# Altium PCB Notecarrier AF.PcbDoc (part 2 of 3)
Units mm, origin at the board's own origin, x right, y up, seen from the top; angles counter-clockwise.
Board outline 76.25 x 103 mm, 4 copper layers (Top Layer, Ground Plane, Power Plane, Bottom Layer), stack 1.43 mm thick; 84 components, 89 nets, 445 pads, 436 vias.
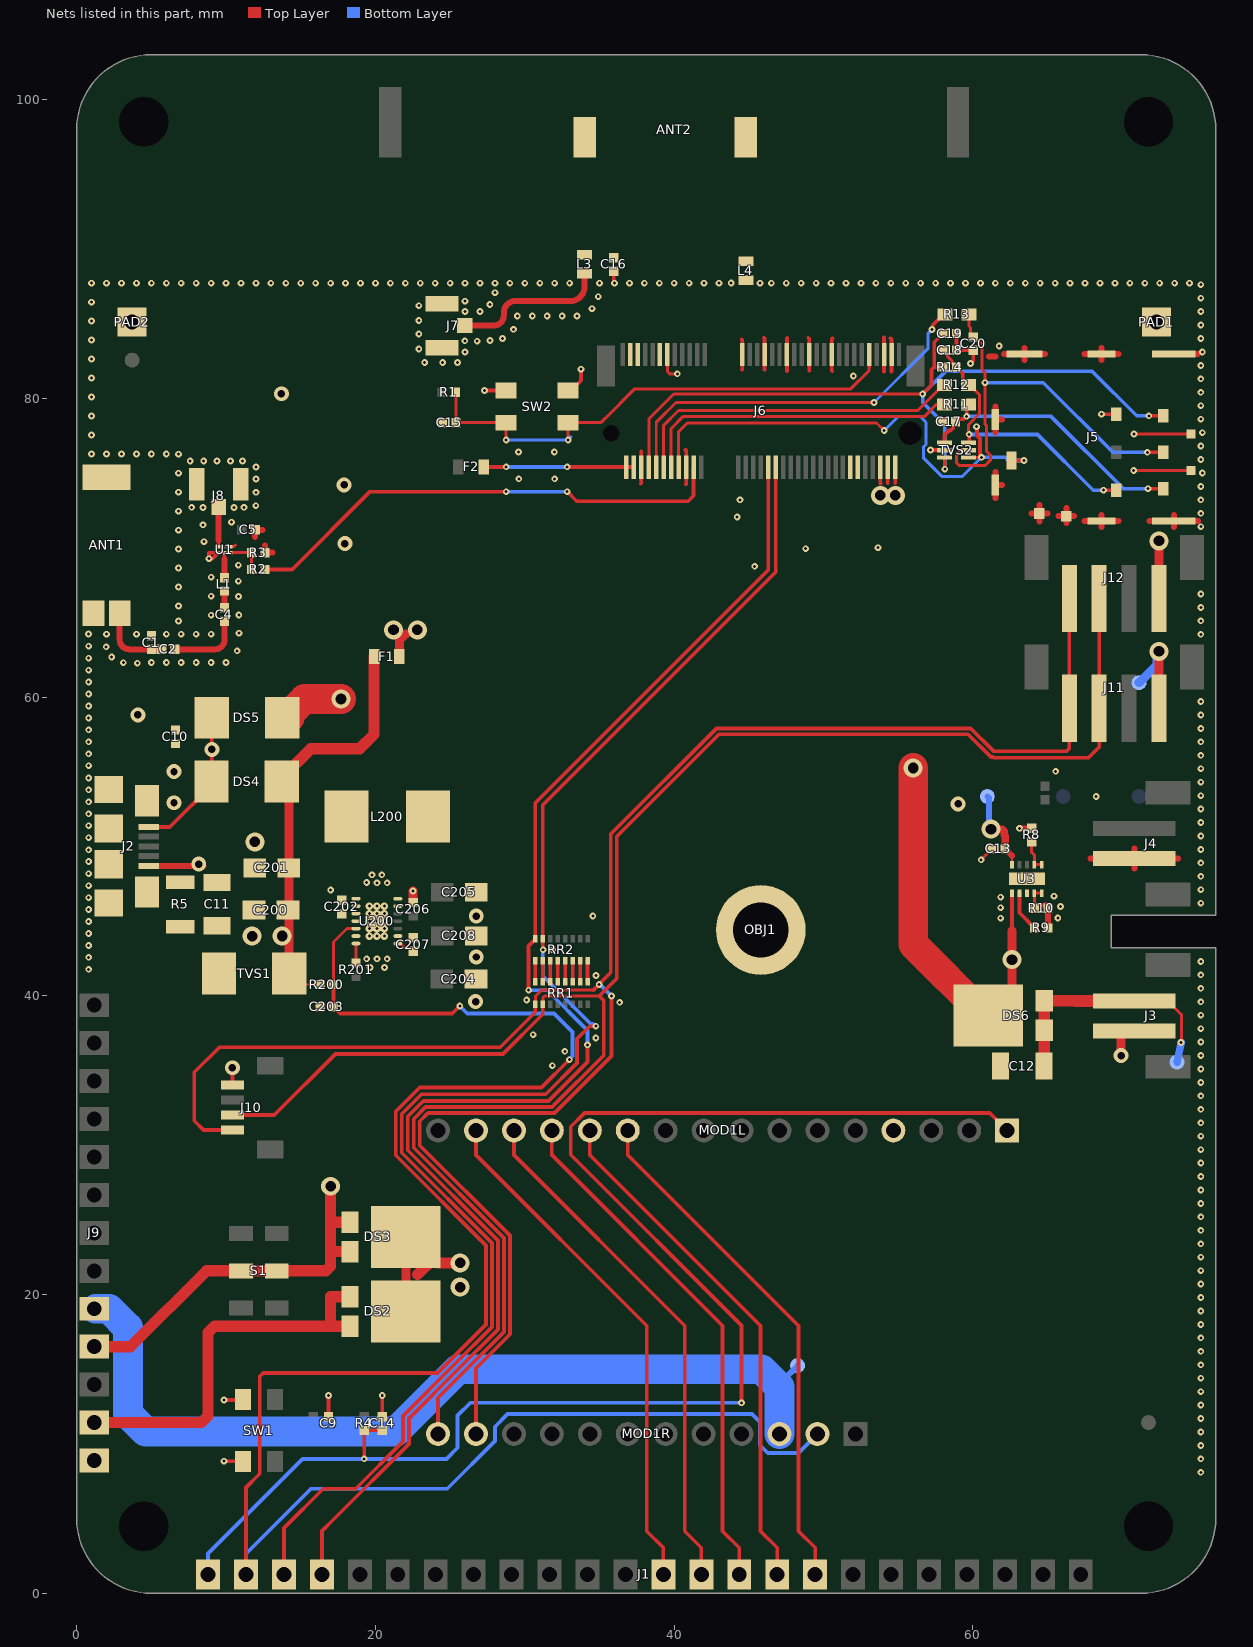
[diagram p4: the nets of this part, all layers, seen from the top]

## Via types
v1: diameter 0.45, hole 0.2, Top Layer to Bottom Layer, 381 vias
v2: diameter 1.27, hole 0.711, Top Layer to Bottom Layer, 20 vias
v3: diameter 1, hole 0.5, Top Layer to Bottom Layer, 20 vias
v4: diameter 0.5, hole 0.2, Top Layer to Bottom Layer, 15 vias

## Nets (pads, with @x,y where several pads share a name; then routed paths per layer and width w, separated by ;. In a path a pad name is that pad's centre, name@x,y a point inside that pad or via, vN(x,y) a via of type N, cw(c..) or ccw(c..) an arc to the next point about the centre after c; other vN are vias at no path point) (continued)
F_EN: C203.1 J1.2 MOD1R.2 R200.2 U200.12 | length 131.8
  Top Layer w0.2: R200.2@17.2,40.75 17.2,43.6 18.1,44.5 U200.12@18.7,44.5
  Top Layer w0.25: J1.2@11.335,1.27 11.335,7.085 12.25,8 12.25,14.513 12.487,14.75 24.15,14.75 27.4,18 27.4,23.286 21.361,29.325 21.361,32.258 22.964,33.861 31.113,33.861 v1(32.975,35.722) ; R200.2@17.165,40.625 17.2,40.59 C203.1@17.2,39.25 17.639,38.811 25.137,38.811 v1(25.645,39.318)
  Bottom Layer w0.25: J1.2@11.335,1.27 11.335,2.645 15.69,7 24.804,7 28,10.196 28,11.156 28.844,12 45.207,12 45.739,11.468 45.739,9.91 46.255,9.393 48.315,9.393 MOD1R.2@49.59,10.668 ; v1(25.645,39.318) 26.152,38.811 31.959,38.811 33.185,37.585 33.185,35.973 32.975,35.763 v1(32.975,35.722)
GND: ANT1.2 ANT1.3 C1.2 C5.2 C9.2 C10.2 C11.2 C12.2 C13.2 C14.2 C15.2 C16.2 C17.2 C18.2 C19.2 C20.2 C200.2 C201.2 C202.2 C203.2 C204.2 C205.2 C206.2 C207.2 C208.2 J2.5 J3.2 J4.2 J5.5 J5.8 J5.9 J5.10 J5.11 J5.12 J5.14 J5.15 J5.16 J5.17 J5.18 J5.19 J6.3 J6.5 J6.6 J6.11 J6.18 J6.33 J6.39 J6.45 J6.51 J6.57 J6.71 J6.73 J7.2 J7.3 J8.2 J8.3 J9.13 J10.1 J11.4 J12.4 L4.2 MOD1L.4 OBJ1.1 PAD1.1 PAD2.1 pad.1@71.12,60.96 R3.1 R5.2 R9.1 R10.1 SW1.3 SW1.4 SW2.1 SW2.2 TVS1.2 TVS2.2 U1.1 U1.4 U3.3 U3.11 U200.2 U200.13 U200.15 | length 99
  Top Layer w0.2: U1.1@10.292,70.061 10.506,70.061 10.616,70.171 ; v1(60.55,49.1) 60.55,49.128 C13.2@61.256,49.834 ; v1@70.754,75.158 v1(70.76,75.164) J5.19@74.6,75.164 ; v1(70.773,77.605) 70.774,77.604 J5.18@74.6,77.604
  Top Layer w0.25: v1(9.856,8.848) SW1.4@11.16,8.848 ; v1(9.856,12.938) SW1.3@11.1,12.938 ; v3(10.43,35.182) 10.43,34.023 J10.1@10.437,34.016 ; SW1.3@11.1,13.446 SW1.3@11.16,13.506 ; C9.2@16.862,11.822 v1(16.862,13.25) ; C14.2@20.456,11.822 v1(20.456,13.243) v1@20.463,13.25 ; v1(27.308,80.513) SW2.1@28.75,80.513 ; SW2.2@32.9,80.513 33.1,80.513 33.763,81.176 v1(33.763,81.949) ; C16.2@35.95,88.51 35.95,87.789 v1@35.962,87.776 ; 37.766,74.283 37.798,74.316 37.798,76.45 ; 40.763,76.534 40.798,76.499 J6.18@40.798,75.381 40.798,74.279 40.786,74.266 ; 44.522,83.933 44.548,83.906 J6.33@44.548,82.931 44.548,81.927 44.533,81.912 ; 46.015,84.045 46.048,84.011 J6.39@46.048,82.931 46.048,81.912 46.037,81.9 ; 47.542,81.822 47.548,81.828 J6.45@47.548,82.931 47.548,84.018 47.575,84.045 ; 48.968,84.056 49.048,83.975 J6.51@49.048,82.931 49.048,81.835 49.046,81.833 ; 50.573,81.811 50.548,81.835 50.548,83.964 50.596,84.011 ; 54.045,81.783 54.048,81.786 J6.71@54.048,82.931 54.048,84.071 54.051,84.073 ; 54.472,84.023 54.548,83.946 J6.73@54.548,82.931 54.548,81.803 54.539,81.794 ; v1(57.154,76.542) 58.078,76.542 TVS2.2@58.087,76.534 ; C19.2@58.892,84.327 C18.2@58.892,83.207 C20.2@60.024,83.207 60.024,82.5 59.849,82.325 v1(59.837,82.325) ; v1(68.602,78.934) 68.612,78.924 J5.5@69.58,78.924 ; J5.17@73.45,82.964 J5.17@74.85,82.964 ; v1(8.858,69.263) 9.094,69.263 U1.4@9.492,69.661 8.858,69.661 v1(8.858,69.263)
  Top Layer w0.4: J2.5@4.825,48.7 v3@8.498,48.7 ; 11.95,70.707 C5.2@11.95,71.195 12.438,71.195 ; 12.611,70.148 R3.1@12.611,69.66 13.099,69.66 ; 61.084,82.784 61.5,82.784 ; 61.5,73.306 J5.12@61.5,74.184 ; 61.5,75.062 J5.12@61.5,74.184 ; 61.5,77.706 J5.14@61.5,78.584 ; 61.5,79.462 J5.14@61.5,78.584 ; 61.928,74.184 J5.12@61.5,74.184 ; 61.928,78.584 J5.14@61.5,78.584 ; 62.072,82.964 J5.15@63.45,82.964 ; 63.45,82.561 J5.15@63.45,82.964 ; 63.45,83.367 J5.15@63.45,82.964 ; 63.922,72.289 J5.11@64.45,72.289 ; 64.45,71.736 J5.11@64.45,72.289 ; 64.45,72.842 J5.11@64.45,72.289 ; R10.1@64.786,46.046 R10.1@64.988,46.046 ; 64.828,82.964 J5.15@63.45,82.964 ; 64.978,72.289 J5.11@64.45,72.289 ; R9.1@65.026,44.544 R10.1@65.027,45.864 ; 65.722,72.114 J5.10@66.25,72.114 ; 66.25,71.647 J5.10@66.25,72.114 ; 66.25,72.642 J5.10@66.25,72.114 ; 66.778,72.114 J5.10@66.25,72.114 ; 67.472,71.789 J5.9@68.6,71.789 ; 67.472,82.964 J5.16@68.6,82.964 ; 67.872,49.189 J4.2@70.8,49.189 ; 68.6,71.386 J5.9@68.6,71.789 ; 68.6,72.192 J5.9@68.6,71.789 ; 68.6,82.561 J5.16@68.6,82.964 ; 68.6,83.367 J5.16@68.6,82.964 ; 69.728,71.789 J5.9@68.6,71.789 ; 69.728,82.964 J5.16@68.6,82.964 ; 70.8,48.511 J4.2@70.8,49.189 ; 70.8,49.867 J4.2@70.8,49.189 ; 71.822,71.789 J5.8@73.45,71.789 ; 73.45,71.386 J5.8@73.45,71.789 ; 73.45,72.192 J5.8@73.45,71.789 ; 73.728,49.189 J4.2@70.8,49.189 ; J5.17@74.85,82.964 75.078,82.964 ; 75.078,71.789 J5.8@73.45,71.789
  Top Layer w0.6: v1(22.517,47.01) 22.517,46.252 C206.2@22.527,46.242 ; v3(69.91,36) 69.91,37.453 70.11,37.653 J3.2@70.8,37.653 ; J11.4@72.45,59.254 v2(72.45,63.052) ; J12.4@72.45,66.597 v2(72.45,70.45)
  Bottom Layer w0.6: pad.1@71.12,60.96 72.322,62.162 72.322,62.924 v2(72.45,63.052)
  other v1: 75.25,8.1 75.25,9 75.25,9.9 75.25,10.8 75.25,11.7 75.25,12.6 75.25,13.5 75.25,14.4 75.25,15.3 75.25,16.2 75.25,17.1 75.25,18 75.25,18.9 75.25,19.8 75.25,20.7 75.25,21.6 75.25,22.5 75.25,23.4 75.25,24.3 75.25,25.2 75.25,26.1 75.25,27 75.25,27.9 75.25,28.8 75.25,29.7 75.25,30.6 75.25,31.5 75.25,32.4 75.25,33.3 75.25,34.2 75.25,35.1 31.838,35.322 75.25,36 32.679,36.283 75.25,36.9 34.753,37.179 30.562,37.394 75.25,37.8 75.25,38.7 36.347,39.56 75.25,39.6 30.121,39.72 75.25,40.5 34.765,41.365 75.25,41.4 0.807,41.771 19.633,41.899 20.605,41.899 75.25,42.3 19.41,42.473 20.1,42.473 20.79,42.473 0.807,42.571 31.854,43.075 0.807,43.371 0.807,44.171 0.807,44.971 61.85,45.2 65.678,45.211 34.553,45.337 0.807,45.771 61.85,45.9 65.855,45.976 75.25,46.2 0.807,46.571 61.85,46.6 65.424,46.67 17,47.075 75.25,47.1 0.807,47.371 20.1,47.567 20.79,47.567 19.41,47.586 75.25,48 19.77,48.095 20.43,48.1 0.807,48.171 75.25,48.9 0.804,48.986 0.807,49.771 75.25,49.8 0.804,50.586 75.25,50.7 0.804,51.386 75.25,51.6 0.804,52.186 75.25,52.5 0.804,52.986 68.25,53.34 75.25,53.4 0.804,53.786 75.25,54.3 0.804,54.586 65.54,55.025 75.25,55.2 0.8,55.4 75.25,56.1 0.8,56.2 0.8,57 75.25,57 0.8,57.8 75.25,57.9 0.8,58.6 75.25,58.8 0.8,59.4 75.25,59.7 0.8,60.2 0.8,61 0.8,61.8 4.058,62.262 3.126,62.301 5,62.305 6,62.305 7,62.305 8,62.305 9,62.305 10,62.305 0.8,62.6 2.34,62.672 10.744,63.093 1.975,63.362 0.8,63.4 75.25,64.2 0.796,64.214 2,64.21 4,64.21 6,64.21 7,64.21 8,64.21 9,64.21 10.867,64.277 6.823,65.086 75.25,65.1 9,65.48 10.85,65.496 75.25,66 6.82,66.092 10.834,66.736 9,66.75 75.25,66.9 6.82,67.362 10.823,67.758 9,68.02 6.82,68.632 45.385,68.75 10.823,68.83 6.82,69.902 48.798,69.931 53.638,70 8.521,70.397 6.82,71.172 75.25,71.4 8.454,71.531 10.365,71.705 44.211,72.057 75.25,72.3 6.82,72.442 8.454,72.687 10.531,72.687 7.7,72.7 11.2,72.7 11.996,72.811 75.25,73.2 44.409,73.205 12,73.7 6.82,73.712 75.25,74.1 12,74.6 29.6,74.606 32,74.606 6.82,74.982 75.35,75 12,75.4 7.6,75.8 8.5,75.8 9.4,75.8 10.3,75.8 11.1,75.8 75.25,75.9 6.82,76.252 1,76.275 2,76.275 3,76.275 4,76.275 5,76.275 6,76.275 29.574,76.406 31.974,76.406 75.25,76.8 1,77.545 75.35,77.7 75.25,78.6 1,78.815 75.25,79.5 1,80.085 75.25,80.4 75.25,81.3 1,81.355 51.993,81.497 75.25,82.2 23.3,82.4 24.5,82.4 25.5,82.4 1,82.625 26,83.1 75.35,83.1 22.9,83.3 61.75,83.505 26.809,83.824 25.984,83.847 27.674,83.869 1,83.895 28.5,84 75.25,84 22.9,84.3 29.24,84.616 75.25,84.9 1,85.165 22.9,85.2 29.5,85.5 30.5,85.5 31.5,85.5 32.5,85.5 33.5,85.5 26,85.8 27,85.8 75.25,85.8 34.5,86 22.9,86.2 27.657,86.283 1,86.435 26,86.5 75.25,86.7 34.915,86.8 28,87.07 75.25,87.6 1,87.705 2,87.705 3,87.705 4,87.705 5,87.705 6,87.705 7,87.705 8,87.705 9,87.705 10,87.705 11,87.705 12,87.705 13,87.705 14,87.705 15,87.705 16,87.705 17,87.705 18,87.705 19,87.705 20,87.705 21,87.705 22,87.705 23,87.705 24,87.705 25,87.705 26,87.705 27,87.705 28,87.705 29,87.705 30,87.705 31,87.705 32,87.705 33,87.705 35,87.705 36,87.705 37,87.705 38,87.705 39,87.705 40,87.705 41,87.705 42,87.705 43,87.705 43.811,87.714 45.75,87.705 46.5,87.705 47.5,87.705 48.5,87.705 49.5,87.705 50.5,87.705 51.5,87.705 52.5,87.705 53.5,87.705 54.5,87.705 55.5,87.705 56.5,87.705 57.5,87.705 58.5,87.705 59.5,87.705 60.5,87.705 61.5,87.705 62.5,87.705 63.5,87.705 64.5,87.705 65.5,87.705 66.5,87.705 67.5,87.705 68.5,87.705 69.5,87.705 70.5,87.705 71.5,87.705 72.5,87.705 73.5,87.705 74.5,87.705
  other v2: 11.93,50.306
  other v3: 26.702,39.611 26.75,42.597 26.75,45.337 8.172,48.814 59,52.84 4.1,58.8 17.954,70.267 17.907,74.199 13.7,80.3
  other v4: 19.6,44 20.1,44 20.6,44 19.6,44.5 20.1,44.5 20.6,44.5 19.6,45 20.1,45 20.6,45 19.6,45.5 20.1,45.5 20.6,45.5 19.6,46 20.1,46 20.6,46
MISO: J1.15 MOD1L.13 | length 34.9
  Top Layer w0.25: MOD1L.13@31.81,30.988 31.81,29.336 43.24,17.906 43.24,4.163 44.355,3.048 J1.15@44.355,1.27
MOSI: J1.16 MOD1L.12 | length 34.9
  Top Layer w0.25: MOD1L.12@34.35,30.988 34.35,29.336 45.78,17.906 45.78,4.163 46.895,3.048 J1.16@46.895,1.27
NetANT1_1: ANT1.1 C1.1 C2.2 | length 4.9
  Top Layer w0.4: ANT1.1@2.875,65.6 2.875,63.856 ccw(c3.535,63.856) 3.535,63.196 C1.1@5.003,63.196 C2.2@5.69,63.196
NetANT2_2: ANT2.2 C16.1 L3.2
NetANT2_3: ANT2.3 L4.1
NetC2_1: C2.1 C4.2 | length 4.9
  Top Layer w0.4: C2.1@6.57,63.196 9.26,63.196 ccw(c9.26,63.838) 9.902,63.838 9.902,65.065 ccw(c9.895,65.065) C4.2@9.895,65.073
NetC4_1: C4.1 L1.2 | length 1.1
  Top Layer w0.4: C4.1@9.895,65.973 L1.2@9.895,67.093
NetC17_1: C17.1 J5.3 R11.2 TVS2.1 | length 18.7
  Top Layer w0.25: TVS2.1@58.087,77.034 58.087,77.539 58.387,77.839 58.513,77.839 58.678,78.004 58.678,78.274 C17.1@58.838,78.434 59.023,78.619 59.359,78.619 59.528,78.788 v1(59.581,78.788) ; v1@59.603,78.788 59.581,78.809 59.581,79.48 R11.2@59.692,79.59 ; v1(71.711,73.944) J5.3@72.75,73.944
  Bottom Layer w0.25: v1(59.581,78.788) 65.226,78.788 70.07,73.944 v1(71.711,73.944)
NetC18_1: C18.1 J5.7 R12.2 R14.1 TVS2.6 | length 19.1
  Top Layer w0.2: R12.2@59.692,80.89 59.792,80.89 60.442,80.24 60.442,78.977 59.694,78.229 59.694,77.632 v1(59.742,77.584)
  Top Layer w0.25: C18.1@57.992,83.207 58.307,82.892 58.307,82.781 58.577,82.511 58.577,82.402 59.317,81.662 59.317,81.165 59.592,80.89 R12.2@59.692,80.89 ; v1@59.641,77.584 v1@59.697,77.528 ; TVS2.6@59.697,77.034 59.717,77.034 59.742,77.059 v1(59.742,77.584) ; v1(68.73,73.844) J5.7@69.58,73.844
  Bottom Layer w0.25: v1(59.742,77.584) 59.754,77.572 64.322,77.572 68.05,73.844 v1(68.73,73.844)
NetC20_1: C20.1 J5.2 R13.2 TVS2.5 | length 29.2
  Top Layer w0.2: TVS2.5@59.418,76.534 59.127,76.534 58.892,76.298 58.892,75.684 59.092,75.484 60.799,75.484 61.158,75.843 61.158,76.207 60.892,76.474 60.892,78.181 60.792,78.281 60.792,79.915 ; R13.2@59.728,85.614 59.728,84.839 59.839,84.728 59.839,84.292 60.339,83.792 60.448,83.792 60.609,83.631 60.609,81.927 60.792,81.744 60.792,79.915 ; v1(60.799,81.04) 60.799,79.922 60.792,79.915
  Top Layer w0.25: v1(71.672,76.384) J5.2@72.75,76.384
  Bottom Layer w0.25: v1(60.799,81.04) 64.71,81.04 69.366,76.384 v1(71.672,76.384)
NetC207_1: C207.1 U200.1 | length 1.2
  Top Layer w0.2: U200.1@21.5,43.5 21.68,43.5 21.99,43.19 22.317,43.19 C207.1@22.527,42.98
NetF1_2: F1.2 J6.70 J6.72 J6.74 | length 4.9
  Top Layer w0.25: J6.70@53.798,75.381 53.798,74.303 53.803,74.299 ; 54.298,74.329 J6.72@54.298,75.381 ; 54.798,74.329 J6.74@54.798,75.381
  Top Layer w0.6: F1.2@21.609,62.702 21.609,63.795 22.04,64.226
  other v2: 21.209,64.5 22.81,64.5 53.798,73.5 54.798,73.5
NetJ7_1: J7.1 L3.1 | length 10.4
  Top Layer w0.4: J7.1@25.983,84.858 27.91,84.858 ccw(c27.91,85.538) 28.59,85.538 28.59,85.729 cw(c29.365,85.729) 29.365,86.504 33.037,86.504 ccw(c33.037,87.458) 33.991,87.458 33.991,88.311 cw(c34,88.311) L3.1@34,88.32
NetJ8_1: J8.1 U1.3 | length 2.7
  Top Layer w0.23: 9.483,70.491 9.51,70.464 9.492,70.447 U1.3@9.492,70.061
  Top Layer w0.4: 9.483,70.491 9.501,70.509 9.501,72.714 J8.1@9.51,72.722
NetL1_1: L1.1 U1.5 | length 1.7
  Top Layer w0.23: 9.892,69.24 U1.5@9.892,69.661
  Top Layer w0.4: 9.892,69.24 9.892,68.873 9.895,68.871 L1.1@9.895,67.993
NetL200_1: L200.1 U200.8 U200.9
NetL200_2: L200.2 U200.6 U200.7
NetR2_1: R2.1 R3.2 U1.6 | length 2.5
  Top Layer w0.2: U1.6@10.292,69.661 R3.2@11.711,69.66 R2.1@11.711,68.54
NetR8_1: R8.1 U3.6 U3.7 | length 2.1
  Top Layer w0.2: R8.1@63.929,50.315 63.929,49.605 64.11,49.424 U3.7@64.11,48.774 U3.6@64.61,48.774
NetR9_2: R9.2 U3.2 | length 2.8
  Top Layer w0.25: U3.2@63.11,46.874 63.11,45.56 R9.2@64.126,44.544
NetR10_2: R10.2 U3.4 U3.5 | length 1.5
  Top Layer w0.2: R10.2@64.127,45.864 64.11,45.88 U3.4@64.11,46.874 U3.5@64.61,46.874
NetR201_2: R201.2 U200.14 | length 1.3
  Top Layer w0.2: R201.2@18.7,42.2 U200.14@18.7,43.5
NetRR1_9: RR1.9 RR2.8 | length 1.4
  Top Layer w0.25: RR1.9@34.203,40.931 RR2.8@34.203,42.333
NetRR1_10: RR1.10 RR2.7 | length 1.4
  Top Layer w0.25: RR1.10@33.703,40.931 RR2.7@33.703,42.333
NetRR1_11: RR1.11 RR2.6 | length 1.4
  Top Layer w0.25: RR1.11@33.203,40.931 RR2.6@33.203,42.333
NetRR1_12: RR1.12 RR2.5 | length 1.4
  Top Layer w0.25: RR1.12@32.703,40.931 RR2.5@32.703,42.333
NetRR1_13: RR1.13 RR2.4 | length 1.4
  Top Layer w0.25: RR1.13@32.203,40.931 RR2.4@32.203,42.333
NetRR1_14: RR1.14 RR2.3 | length 1.4
  Top Layer w0.25: RR1.14@31.703,40.931 RR2.3@31.703,42.333
NetRR1_15: RR1.15 RR2.2 | length 1.4
  Top Layer w0.25: RR1.15@31.203,40.931 RR2.2@31.203,42.333
NetRR1_16: RR1.16 RR2.1 | length 1.4
  Top Layer w0.25: RR1.16@30.703,40.931 RR2.1@30.703,42.333
NRST: C15.1 J6.67 R1.1 SW2.3 SW2.4 | length 35
  Top Layer w0.2: R1.1@25.454,80.459 25.379,80.384 25.379,78.384 C15.1@25.4,78.363 SW2.3@28.75,78.363 v1(28.75,77.211) ; v1(32.9,77.211) SW2.4@32.9,78.363 33.476,78.363 35.075,78.363 35.379,78.668 35.393,78.668 37.357,80.632 51.825,80.632 53.048,81.856 53.048,82.087
  Top Layer w0.25: 53.048,82.087 J6.67@53.048,82.931
  Bottom Layer w0.2: v1(28.75,77.211) v1(32.9,77.211) 32.9,77.4 33.089,77.4
RST: C14.1 J1.1 MOD1L.1 R4.1 | length 99
  Top Layer w0.25: v1(19.25,9) R4.1@19.25,10.922 C14.1@20.456,10.922 ; v1(44.51,12.75) 44.51,17.926 33.08,29.356 33.08,31.238 34.002,32.161 61.117,32.161 MOD1L.1@62.29,30.988
  Bottom Layer w0.25: J1.1@8.795,1.27 8.795,2.67 15.125,9 v1(19.25,9) 24.75,9 25.5,9.75 25.5,11.904 26.346,12.75 v1(44.51,12.75)
RX: J1.14 MOD1L.14 | length 34.9
  Top Layer w0.25: MOD1L.14@29.27,30.988 29.27,29.336 40.7,17.906 40.7,4.163 41.815,3.048 J1.14@41.815,1.27
RX_P: J6.62
SCK: J1.17 MOD1L.11 | length 34.9
  Top Layer w0.25: MOD1L.11@36.89,30.988 36.89,29.336 48.32,17.906 48.32,4.163 49.435,3.048 J1.17@49.435,1.27
SCL: J10.4 J11.1 J12.1 MOD1R.11 RR1.1 | length 135.3
  Top Layer w0.2: RR1.1@30.703,39.431 30.703,39.957 31.126,40.381 34.603,40.381
  Top Layer w0.25: J10.4@10.437,31.016 8.492,31.016 7.876,31.632 7.876,34.884 9.553,36.561 28.361,36.561 30.703,38.903 RR1.1@30.703,39.431 ; MOD1R.11@26.73,10.668 26.73,15.067 29,17.337 29,17.6 29,23.949 22.961,29.988 22.961,31.595 23.526,32.161 31.994,32.161 35.8,35.966 v1(35.8,39.981) ; 34.603,40.381 v1(34.976,40.754) 34.976,40.795 35.75,41.569 35.75,50.828 42.822,57.9 59.85,57.9 61.372,56.378 66.274,56.378 66.45,56.554 J11.1@66.45,59.254 J12.1@66.45,66.597
  Bottom Layer w0.25: MOD1R.11@26.73,10.351 26.804,10.351 MOD1R.11@26.804,10.394 ; v1(34.976,40.754) 35.026,40.754 v1(35.8,39.981)
SCL_P: J1.4 J6.40 RR2.16 | length 100.4
  Top Layer w0.25: J1.4@16.415,1.27 16.415,4.165 17.207,4.958 22.24,9.99 22.24,11.709 25.481,14.95 28.2,17.669 28.2,18.45 28.2,23.617 22.161,29.657 22.161,29.905 22.161,29.958 22.161,30.754 22.161,31.926 23.195,32.961 31.592,32.961 34.203,35.571 v1(34.203,36.714) ; v1(30.255,40.378) 30.253,40.38 30.253,43.333 30.653,43.733 30.703,43.733 RR2.16@30.703,43.833 30.703,52.91 46.298,68.506 J6.40@46.298,75.381
  Bottom Layer w0.25: v1(30.255,40.378) 31.507,40.378 34.203,37.682 v1(34.203,36.714)
SDA: J10.3 J11.2 J12.2 MOD1R.12 RR1.2 | length 129.7
  Top Layer w0.2: RR1.2@31.203,39.431 31.203,39.864 31.32,39.981 34.98,39.981
  Top Layer w0.25: J10.3@10.437,32.016 13.231,32.016 17.326,36.111 28.547,36.111 31.203,38.766 RR1.2@31.203,39.431 ; MOD1R.12@24.19,10.668 24.19,13.093 25.647,14.55 28.6,17.503 28.6,23.783 22.561,29.822 22.561,30.124 22.561,31.761 23.361,32.561 31.829,32.561 35.278,36.01 35.278,39.684 34.98,39.981 36.15,41.15 36.15,50.663 42.987,57.5 59.684,57.5 61.206,55.978 61.349,55.978 61.399,55.928 67.729,55.928 68.45,56.65 J11.2@68.45,59.254 68.45,61.675 J12.2@68.45,66.597
SDA_P: J1.3 J6.42 RR2.15 | length 102.2
  Top Layer w0.25: J1.3@13.875,1.27 13.875,4.375 16.5,7 18.684,7 21.84,10.156 21.84,11.874 25.316,15.35 27.8,17.834 27.8,18.616 27.8,23.452 21.761,29.491 21.761,29.739 21.761,29.792 21.761,30.919 21.761,32.092 23.079,33.411 31.406,33.411 33.5,35.505 33.5,37.12 34.345,37.965 v1(34.753,37.965) ; v1(31.227,43.082) 31.203,43.107 RR2.15@31.203,43.833 31.203,52.774 46.798,68.37 J6.42@46.798,75.381
  Bottom Layer w0.25: v1(31.227,43.082) 31.203,43.057 31.203,41.319 34.4,38.121 34.556,38.121 34.712,37.965 v1(34.753,37.965)
SIM_CLK: J6.14 R11.1 | length 21.6
  Top Layer w0.2: J6.14@39.798,75.381 39.798,77.982 40.608,78.792 56.766,78.792 57.565,79.59 R11.1@58.092,79.59
SIM_IO: J6.12 R12.1 | length 22.7
  Top Layer w0.2: J6.12@39.298,75.381 39.298,78.19 40.295,79.186 40.436,79.186 40.442,79.192 56.314,79.192 58.013,80.89 R12.1@58.092,80.89
SIM_NPRESENT: J5.13 J6.16 TVS2.4 | length 34.2
  Top Layer w0.2: J6.16@40.298,75.381 40.298,77.773 40.874,78.348 53.545,78.348 v1(54.055,77.839) ; TVS2.4@59.697,76.034 60.562,76.034 v1(60.574,76.046)
  Top Layer w0.25: v1(60.234,78.097) 60.268,78.062 60.268,77.497 60.467,77.298 60.467,76.207 60.574,76.1 v1(60.574,76.046) ; J5.13@62.575,75.834 v1(63.408,75.834)
  Bottom Layer w0.2: v1(54.055,77.839) 55.007,78.792 56.449,78.792 56.848,78.392 56.848,76.908 56.679,76.739 56.679,76.011 57.914,74.775 59.303,74.775 v1(60.574,76.046)
  Bottom Layer w0.25: v1(60.574,76.046) 62.165,76.046 62.377,75.834 v1(63.408,75.834)
SIM_RST: J6.10 R13.1 | length 26.1
  Top Layer w0.2: J6.10@38.798,75.381 38.798,78.397 40.124,79.722 v1(53.374,79.722)
  Top Layer w0.25: v1(57.26,84.609) 57.299,84.647 57.299,84.885 58.028,85.614 R13.1@58.128,85.614
  Bottom Layer w0.2: v1(53.374,79.722) 56.998,83.347 56.998,84.347 v1(57.26,84.609)
SIM_VCC: C19.1 J5.1 J6.8 R14.2 TVS2.3 | length 51.9
  Top Layer w0.2: J6.8@38.298,75.381 38.298,78.604 39.977,80.282 v1(56.635,80.282)
  Top Layer w0.25: v1(56.635,80.282) 56.639,80.282 57.226,80.87 57.226,81.912 57.401,82.087 ; R14.2@57.992,82.087 57.407,82.087 57.407,83.742 C19.1@57.992,84.327 ; TVS2.3@58.087,76.034 58.111,76.034 58.111,75.277 58.084,75.25 v1(58.111,75.25) ; v1(71.774,78.824) J5.1@72.75,78.824
  Bottom Layer w0.25: v1(58.111,75.25) 58.111,78.245 56.635,79.721 v1(56.635,80.282) 56.637,80.282 58.155,81.8 67.985,81.8 70.961,78.824 v1(71.774,78.824)
TX: J1.13 MOD1L.15 | length 34.9
  Top Layer w0.25: MOD1L.15@26.73,30.988 26.73,29.336 38.16,17.906 38.16,13.232 38.16,4.163 39.275,3.048 J1.13@39.275,1.27
TX_P: J6.64
USB_SHIELD: C11.1 J2.6 J2.7 J2.8 J2.9 J2.10 J2.11 R5.1
V+: DS2.1 DS2.2 J9.12 | length 27.6
  Top Layer w0.75: J9.12@1.175,11.43 8.356,11.43 8.795,11.869 8.795,17.445 9.234,17.884 DS2.1@18.288,17.884 17,17.884 17,19.854 DS2.2@18.288,19.854
VACT_GPS_OUT: J6.20 R2.2 | length 33.2
  Top Layer w0.25: R2.2@12.611,68.54 14.425,68.54 19.635,73.75 v1(28.75,73.75) ; v1(32.836,73.75) 33.476,73.11 40.935,73.11 41.298,73.473 J6.20@41.298,75.381
  Bottom Layer w0.25: v1(28.75,73.75) v1(32.836,73.75)
VBAT: C13.1 DS3.1 DS3.2 J9.10 pad.1@60.96,53.34 R8.2 S1.2 S1.6 U3.10 | length 32.6
  Top Layer w0.15: U3.10@62.61,48.774 62.61,49.352
  Top Layer w0.4: C13.1@62.085,49.906 62.61,49.381 62.61,49.352 ; v1(63.11,51.215) 63.291,51.215 63.299,51.208 63.922,51.208 R8.2@63.929,51.215
  Top Layer w0.5: v2(61.206,51.154) 61.951,51.154 62.085,51.021 62.085,50.79 62.156,50.719 C13.1@62.156,49.834
  Top Layer w0.75: J9.10@1.175,16.51 3.61,16.51 8.69,21.59 S1.6@10.992,21.59 S1.2@13.392,21.59 16.692,21.59 17,21.898 17,22.874 ; v2(17,27.25) 17,24.844 ; DS3.1@18.288,22.874 17,22.874 ; DS3.2@18.288,24.844 17,24.844 ; 17,22.874 17,24.844
  Bottom Layer w0.4: pad.1@60.96,53.34 61.075,53.225 61.075,51.286 v2(61.206,51.154)
VBUS+SOLAR: DS5.1 DS6.3 pad.1@55.88,53.34 U3.1 | length 33.7
  Top Layer w0.25: 62.609,44.342 62.61,44.343 U3.1@62.61,46.874
  Top Layer w0.6: DS6.3@61.025,38.675 62.61,40.26 v2(62.61,42.418) v2(62.61,42.418) 62.609,44.342
  Top Layer w2: DS5.1@14.251,58.616 14.251,58.866 15.251,59.866 v2(17.694,59.866) ; v2(56,55.25) 56,43.45 60.775,38.675 DS6.3@61.025,38.675
  Bottom Layer w0.4: pad.1@55.88,53.34 55.94,53.4 55.94,55.19 v2(56,55.25)
VIO_P: F2.2 J6.2 J6.4 | length 10.1
  Top Layer w0.25: F2.2@27.25,75.406 v1(28.75,75.406) ; v1(32.836,75.406) 37.298,75.406 J6.4@37.298,75.381
  Bottom Layer w0.25: v1(28.75,75.406) v1(32.836,75.406)
VMAIN: C200.1 C201.1 C202.1 DS2.3 DS3.3 DS4.1 F1.1 R200.1 TVS1.1 U200.10 U200.11 | length 39.7
  Top Layer w0.15: TVS1.1@14.224,41.486 14.96,40.75 R200.1@16.05,40.75
  Top Layer w0.4: v2(13.76,43.999) 14.151,44.39 C200.1@14.151,45.734
  Top Layer w0.6: DS4.1@13.724,54.336 14.224,54.336 C201.1@14.224,48.564 ; C201.1@14.201,48.564 C201.1@14.224,48.564 ; TVS1.1@14.224,41.486 14.224,44.39 14.224,45.734 C201.1@14.224,48.564 ; DS2.3@22.038,18.869 DS3.3@22.038,23.859
  Top Layer w0.75: DS4.1@13.724,54.336 13.724,54.586 15.674,56.536 18.945,56.536 19.909,57.5 F1.1@19.909,62.702 ; DS2.3@22.038,18.869 DS2.3@22.823,18.084 ; 22.823,21.334 23.883,22.394 24.158,22.119 v2(25.666,22.119)
  other v2: 25.666,20.5 11.751,43.988
VSOLAR: C12.1 DS6.1 DS6.2 J3.1 pad.1@73.66,35.56 | length 17.1
  Top Layer w0.2: J3.1@73.05,39.653 73.95,38.753 73.95,36.893 v1(73.932,36.875)
  Top Layer w0.785: C12.1@64.762,35.312 64.762,37.678 DS6.2@64.775,37.69 DS6.1@64.775,39.66 66.85,39.66 66.857,39.653 J3.1@70.8,39.653 J3.1@73.05,39.653
  Bottom Layer w0.5: pad.1@73.66,35.56 v1(73.932,36.875)
VUSB: C10.1 DS4.2 DS5.2 J2.1 J6.13 J9.9 MOD1R.3 pad.1@48.26,15.24 | length 72.3
  Top Layer w0.2: J6.13@39.548,82.931 39.548,81.783 39.698,81.633 v1(40.208,81.633)
  Top Layer w0.25: J2.1@4.825,51.3 6.238,51.3 9.051,54.113 v3(9.051,56.489) DS5.2@9.051,57.366
  Bottom Layer w0.4: 47.05,11.9 47.25,12.1 47.25,14.23 pad.1@48.26,15.24
  Bottom Layer w2: J9.9@1.275,19.05 2.161,19.05 3.425,17.786 3.425,12.014 4.597,10.842 21.373,10.842 25.531,15 45.85,15 47.05,13.8 MOD1R.3@47.05,10.668
  other v3: 6.515,52.923 6.515,55.009
pads on no net: ANT2.1 ANT2.4 FID1.1 FID2.1 J2.4 J3. J4. J5.6 J6. J6.1 J6.15 J6.17 J6.19 J6.21 J6.22 J6.23 J6.32 J6.34 J6.35 J6.36 J6.37 J6.41 J6.43 J6.44 J6.47 J6.49 J6.53 J6.55 J6.59 J6.61 J6.63 J6.65 J6.66 J6.68 J6.69 J6.75 J10.MT J11. J12. MOD1.J1.1 MOD1.J1.2 MOD1.J1.3 MOD1.J1.4 MOD1.J1.5 MOD1.J1.6 MOD1.J1.7 MOD1.J1.8 MOD1.J1.9 MOD1.J1.10 MOD1.J1.11 MOD1.J1.12 MOD1.J1.13 MOD1.J1.14 MOD1.J1.15 MOD1.J1.16 MOD1.J3.1 MOD1.J3.2 MOD1.J3.3 MOD1.J3.4 MOD1.J3.5 MOD1.J3.6 MOD1.J3.7 MOD1.J3.8 MOD1.J3.9 MOD1.J3.10 MOD1.J3.11 MOD1.J3.12 MOD1.MH MOD1L.2 RR1.7 RR1.8 RR2.9 RR2.10 S1.1 S1.5 U3.9

## Polygon pours and split planes (outlines as drawn)
GND on Top Layer "GND" (solid, pour order 76): 0,5 ccw(c5,5) 5,0 71.25,0 ccw(c71.25,5) 76.25,5 76.25,43.2 69.25,43.2 69.25,45.4 76.25,45.4 76.25,88.099 0,88.099
GND on Top Layer "TOP-GND 1" (solid, pour order 75): 0.5,58.331 16.771,58.331 16.771,88.099 0.5,88.099 0.5,73.853 3.601,73.853 3.601,75.551 3.801,75.551 3.801,64.997 3.601,64.997 3.601,66.448 2.045,66.448 2.045,64.599 1.847,64.599 1.847,66.448 0.5,66.448
GND on Top Layer "NONET_L-01_P-001" (solid, pour order 77): 60.032,50.394 66,50.394 66,43.984 60.032,43.984
VMAIN on Top Layer "VMAIN" (solid, pour order 67): 15.79,39.286 16.336,39.286 16.61,39.56 16.61,45.14 16.25,45.5 16.25,53.75 18.4,55.9 24.363,55.9 24.363,63.5 19.689,63.5 13,56.812 13,39.286
+3V3 on Top Layer "+3v3 converter" (solid, pour order 68): 25.231,38.983 22.81,38.982 22.81,44.44 22.31,44.44 22.31,44.88 21.32,44.88 21.32,45.62 22.915,45.62 23.707,46.412 23.707,47.567 25.231,47.567
VMAIN on Top Layer "NONET_L-01_P-001" (solid, pour order 69): 19.713,16.794 19.713,25.934 24.363,25.934 24.363,16.794
VUSB on Top Layer "TOP-VUSB" (solid, pour order 72): 11.437,55.839 11.437,51.607 5.998,51.607 5.998,57.726 6.422,58.149 10.969,58.149 11.448,58.149 11.448,55.849
USB_SHIELD on Top Layer "TOP-No Net" (solid, pour order 74): 1.2,54.7 3.1,54.7 3.7,54.1 5.5,54.1 5.5,52 3.9,52 3.316,52 3.316,48.17 5.5,48.17 5.5,46.164 10.298,46.164 10.298,42.905 2.437,42.905 1.2,44.142
NetANT2_2 on Top Layer "TOP-N16805402" (solid, pour order 71): 33.25,98.82 34.75,98.82 34.75,96.1 34.2,96.1 34.183,96.099 34.165,96.097 34.148,96.093 34.132,96.088 34.115,96.081 34.1,96.073 34.085,96.064 34.071,96.053 34.059,96.041 34.047,96.029 34.036,96.015 34.027,96 34.019,95.985 34.012,95.968 34.007,95.952 34.003,95.935 34.001,95.917 34,95.9 34,90.4 34.001,90.383 34.003,90.365 34.007,90.348 34.012,90.332 34.019,90.315 34.027,90.3 34.036,90.285 34.047,90.271 34.059,90.259 34.071,90.247 34.085,90.236 34.1,90.227 34.115,90.219 34.132,90.212 34.148,90.207 34.165,90.203 34.183,90.201 34.2,90.2 36.2,90.2 36.218,90.199 36.235,90.197 36.252,90.193 36.269,90.188 36.285,90.181 36.3,90.173 36.315,90.164 36.329,90.153 36.342,90.141 36.354,90.129 36.364,90.115 36.374,90.1 36.382,90.085 36.388,90.068 36.393,90.052 36.397,90.035 36.4,90.017 36.4,90 36.4,89.1 35.39,89.1 35.21,89.28 33.4,89.28 33.4,95.95 33.399,95.963 33.398,95.976 33.395,95.989 33.391,96.001 33.386,96.013 33.38,96.025 33.373,96.036 33.365,96.046 33.356,96.056 33.346,96.065 33.336,96.073 33.325,96.08 33.313,96.086 33.301,96.091 33.289,96.095 33.276,96.098 33.263,96.099 33.25,96.1 33.25,98.82
NetANT2_3 on Top Layer "TOP-N16805626" (solid, pour order 70): 44.05,98.82 45.55,98.82 45.55,96.1 45.2,96.1 45.183,96.099 45.165,96.097 45.148,96.093 45.132,96.088 45.115,96.081 45.1,96.073 45.085,96.064 45.071,96.053 45.059,96.041 45.047,96.029 45.036,96.015 45.027,96 45.019,95.985 45.012,95.968 45.007,95.952 45.003,95.935 45.001,95.917 45,95.9 45,89.7 45.001,89.683 45.003,89.665 45.007,89.648 45.012,89.632 45.019,89.615 45.027,89.6 45.036,89.585 45.047,89.571 45.059,89.559 45.071,89.547 45.085,89.536 45.1,89.527 45.115,89.519 45.132,89.512 45.148,89.507 45.165,89.503 45.183,89.501 45.2,89.5 45.31,89.5 45.31,88.86 44.29,88.86 44.29,89.5 44.4,89.5 44.417,89.501 44.435,89.503 44.452,89.507 44.468,89.512 44.485,89.519 44.5,89.527 44.515,89.536 44.529,89.547 44.541,89.559 44.553,89.571 44.564,89.585 44.573,89.6 44.581,89.615 44.588,89.632 44.593,89.648 44.597,89.665 44.599,89.683 44.6,89.7 44.6,95.9 44.599,95.917 44.597,95.935 44.593,95.952 44.588,95.968 44.581,95.985 44.573,96 44.564,96.015 44.553,96.029 44.541,96.041 44.529,96.053 44.515,96.064 44.5,96.073 44.485,96.081 44.468,96.088 44.452,96.093 44.435,96.097 44.417,96.099 44.4,96.1 44.05,96.1 44.05,98.82
GND on Bottom Layer "NONET_L-01_P-001" (solid, pour order 78): 25.488,55.9 25.488,37.75 16.088,37.75 16.088,55.9
GND on Ground Plane (split plane): 75.74,45.91 69.25,45.91 69.15,45.901 69.055,45.872 68.966,45.824 68.889,45.761 68.826,45.684 68.778,45.595 68.749,45.5 68.74,45.4 68.74,43.2 68.749,43.1 68.778,43.005 68.826,42.916 68.889,42.839 68.966,42.776 69.055,42.728 69.15,42.699 69.25,42.69 75.74,42.69 75.74,5 75.741,4.982 75.732,4.706 75.703,4.414 75.656,4.124 75.589,3.837 75.503,3.556 75.4,3.281 75.279,3.013 75.14,2.754 74.985,2.504 74.814,2.266 74.627,2.038 74.426,1.824 74.212,1.623 73.984,1.436 73.746,1.265 73.496,1.11 73.237,0.971 72.969,0.85 72.694,0.747 72.413,0.661 72.126,0.594 71.836,0.547 71.544,0.518 71.268,0.509 71.25,0.51 5,0.51 4.982,0.509 4.706,0.518 4.414,0.547 4.124,0.594 3.837,0.661 3.556,0.747 3.281,0.85 3.013,0.971 2.754,1.11 2.504,1.265 2.266,1.436 2.038,1.623 1.824,1.824 1.623,2.038 1.436,2.266 1.265,2.504 1.11,2.754 0.971,3.013 0.85,3.281 0.747,3.556 0.661,3.837 0.594,4.124 0.547,4.414 0.518,4.706 0.509,4.982 0.51,5 0.51,64.55 6.25,64.55 6.25,75.75 0.51,75.75 0.51,88.099 75.74,88.099
GND on Power Plane (split plane): 75.74,74.337 55.976,74.337 55.976,76.447 55.967,76.512 55.942,76.573 55.902,76.625 55.85,76.666 55.789,76.691 55.724,76.699 38.798,76.699 38.733,76.691 38.672,76.666 38.62,76.625 38.58,76.573 38.555,76.512 38.546,76.447 38.546,73.002 27.725,73.002 27.725,80.646 42,80.646 42.065,80.655 42.126,80.68 42.178,80.72 42.218,80.772 42.244,80.833 42.252,80.898 42.252,87.705 75.74,87.705
GND on Power Plane (split plane): 52.386,72.5 52.395,72.435 52.42,72.374 52.46,72.322 52.512,72.282 52.573,72.256 52.638,72.248 55.471,72.248 55.471,68.002 40.9,68.002 40.9,71.25 40.9,74.154 52.386,74.154
NetF1_2 on Power Plane (split plane): 55.471,74.084 55.471,72.752 52.89,72.752 52.89,74.406 52.882,74.471 52.857,74.532 52.817,74.584 52.764,74.624 52.704,74.649 52.638,74.658 40.648,74.658 40.583,74.649 40.522,74.624 40.47,74.584 40.43,74.532 40.405,74.471 40.396,74.406 40.396,71.502 23.75,71.502 23.685,71.494 23.624,71.468 23.572,71.428 23.532,71.376 23.506,71.315 23.498,71.25 23.498,63.439 20.502,63.439 20.502,72.498 38.798,72.498 38.864,72.506 38.924,72.532 38.977,72.572 39.017,72.624 39.042,72.685 39.05,72.75 39.05,76.195 55.471,76.195
VBUS+SOLAR on Power Plane (split plane): 63.677,54.002 16.502,54.002 16.502,60.998 63.677,60.998
BATPOS on Power Plane (split plane): 67.498,37.127 57.217,37.127 57.217,46.786 57.208,46.851 57.183,46.912 57.143,46.964 56.322,47.785 56.269,47.825 56.209,47.85 56.143,47.859 46.793,47.859 46.562,47.918 46.31,47.963 46.055,47.991 45.798,48 45.542,47.991 45.287,47.963 45.034,47.918 44.804,47.859 23.199,47.859 23.134,47.85 23.073,47.825 23.021,47.785 22.822,47.586 22.782,47.534 22.756,47.473 22.748,47.408 22.748,24.354 20.896,22.502 15.002,22.502 15.002,25.682 19.627,25.682 19.693,25.69 19.754,25.716 19.806,25.756 19.846,25.808 19.871,25.869 19.88,25.934 19.88,47.25 19.88,50.248 59.78,50.248 59.78,48.75 59.78,40.153 59.789,40.088 59.814,40.027 59.854,39.975 59.906,39.934 59.967,39.909 60.032,39.901 63.929,39.901 63.995,39.909 64.055,39.934 64.108,39.975 64.148,40.027 64.173,40.088 64.182,40.153 64.182,53.498 67.498,53.498
GND on Power Plane (split plane): 36.813,42.735 36.813,36.847 36.813,33.202 26.002,33.202 26.002,44.833 36.813,44.833
VUSB on Power Plane (split plane): 41.748,81.75 41.748,81.15 13.75,81.15 13.685,81.142 13.624,81.117 13.572,81.077 13.532,81.024 13.506,80.964 13.498,80.898 13.498,61.171 11.03,58.703 10.99,58.651 10.965,58.59 10.956,58.525 10.956,50.807 4.25,50.807 4.185,50.799 4.124,50.773 4.072,50.733 4.032,50.681 4.006,50.62 3.998,50.555 3.998,15.479 0.51,15.479 0.51,64.55 1.055,64.55 1.055,62.801 1.926,62.801 1.926,64.55 6.823,64.55 6.823,75.393 7.281,75.393 7.281,76.135 6.394,76.135 6.394,76.134 0.51,76.134 0.51,87.453 22.9,87.453 22.9,82.8 23.3,82.4 25.5,82.4 25.5,82.515 26.985,84 28.624,84 29.5,84.876 29.5,85.5 33.5,85.5 34,86 34.5,86 34.5,86.384 34.915,86.8 34.976,87.453 41.748,87.453
VBAT on Power Plane (split plane): 63.677,40.405 60.284,40.405 60.284,48.75 60.284,50.5 60.276,50.565 60.251,50.626 60.21,50.678 60.158,50.718 60.097,50.744 60.032,50.752 19.627,50.752 19.562,50.744 19.501,50.718 19.449,50.678 19.409,50.626 19.384,50.565 19.375,50.5 19.375,48 19.375,47.341 19.375,47.25 19.375,47 19.375,26.186 15.002,26.186 15.002,52.146 16.354,53.498 63.677,53.498
VMAIN on Power Plane (split plane): 14.498,25.934 14.498,22.25 14.506,22.185 14.532,22.124 14.572,22.072 14.624,22.032 14.685,22.006 14.75,21.998 21,21.998 21.065,22.006 21.126,22.032 21.178,22.072 23.104,23.998 25.896,23.998 26.498,23.396 26.498,20.104 25.84,19.447 22.146,19.447 22.081,19.438 22.02,19.413 21.991,19.391 21.968,19.373 19.097,16.502 11.002,16.502 11.002,46.089 14.498,46.089
+3V3 on Power Plane (split plane): 27.221,78.223 27.22,78.221 27.211,78.156 27.22,78.09 27.221,78.088 27.221,73.002 20.25,73.002 20.185,72.994 20.124,72.968 20.072,72.928 20.032,72.876 20.006,72.815 19.998,72.75 19.998,63.187 20.006,63.122 20.032,63.061 20.072,63.009 20.124,62.969 20.185,62.943 20.25,62.935 23.75,62.935 23.815,62.943 23.876,62.969 23.928,63.009 23.968,63.061 23.994,63.122 24.002,63.187 24.002,70.998 40.396,70.998 40.396,67.75 40.405,67.685 40.43,67.624 40.47,67.572 40.522,67.532 40.583,67.506 40.648,67.498 55.724,67.498 55.789,67.506 55.85,67.532 55.902,67.572 55.942,67.624 55.967,67.685 55.976,67.75 55.976,72.5 55.976,73.832 75.74,73.832 75.74,45.91 69.25,45.91 69.15,45.901 69.055,45.872 68.966,45.824 68.889,45.761 68.826,45.684 68.778,45.595 68.749,45.5 68.74,45.4 68.74,43.2 68.749,43.1 68.778,43.005 68.826,42.916 68.889,42.839 68.966,42.776 69.055,42.728 69.15,42.699 69.25,42.69 75.74,42.69 75.74,5 75.741,4.982 75.732,4.706 75.703,4.414 75.656,4.124 75.589,3.837 75.503,3.556 75.4,3.281 75.279,3.013 75.14,2.754 74.985,2.504 74.814,2.266 74.627,2.038 74.426,1.824 74.212,1.623 73.984,1.436 73.746,1.265 73.496,1.11 73.237,0.971 72.969,0.85 72.694,0.747 72.413,0.661 72.126,0.594 71.836,0.547 71.544,0.518 71.268,0.509 71.25,0.51 51.133,0.51 51.133,11.821 51.124,11.886 51.099,11.947 51.059,11.999 46.63,16.428 46.578,16.468 46.517,16.494 46.451,16.502 24.507,16.502 24.442,16.494 24.381,16.468 24.329,16.428 20.153,12.252 4.502,12.252 4.502,15.227 4.502,50.303 11.208,50.303 11.274,50.311 11.334,50.337 11.387,50.377 11.427,50.429 11.452,50.49 11.46,50.555 11.46,58.421 13.928,60.889 13.968,60.941 13.994,61.002 14.002,61.067 14.002,80.646 27.221,80.646
GND on Power Plane (split plane): 50.628,11.717 50.628,0.51 5,0.51 4.982,0.509 4.706,0.518 4.414,0.547 4.124,0.594 3.837,0.661 3.556,0.747 3.281,0.85 3.013,0.971 2.754,1.11 2.504,1.265 2.266,1.436 2.038,1.623 1.824,1.824 1.623,2.038 1.436,2.266 1.265,2.504 1.11,2.754 0.971,3.013 0.85,3.281 0.747,3.556 0.661,3.837 0.594,4.124 0.547,4.414 0.518,4.706 0.509,4.982 0.51,5 0.51,14.975 3.998,14.975 3.998,12.5 3.998,12 4.006,11.935 4.032,11.874 4.072,11.822 4.124,11.782 4.185,11.756 4.25,11.748 20.29,11.748 20.355,11.756 20.416,11.782 20.468,11.822 20.508,11.874 20.522,11.908 24.612,15.998 46.347,15.998